# KiCad board rcbus-ymf262-panel.kicad_pcb (continued)
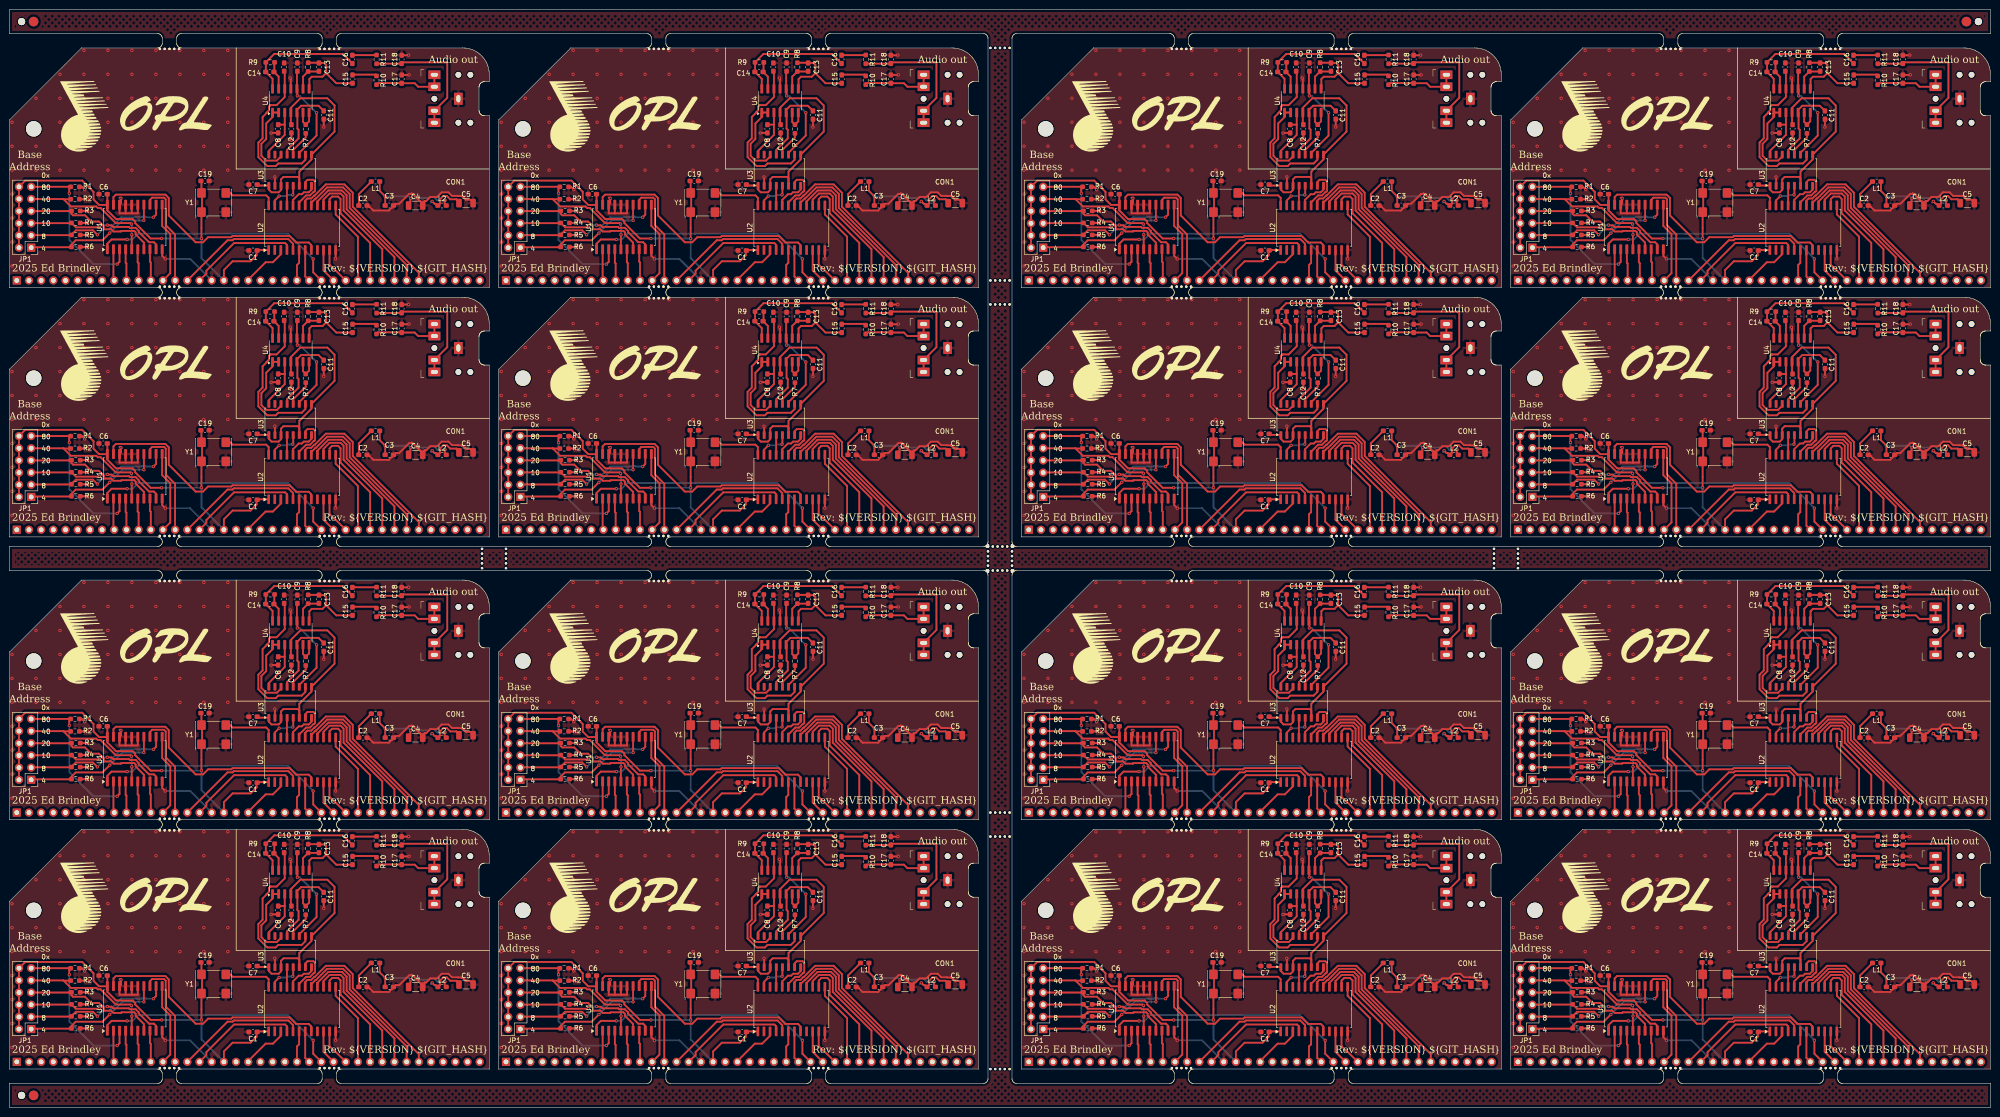
[diagram p0: board, top side]
## Routing (per net, layer and track width the routed paths; a pad name or vN(x,y) marks a point on that pad's centre or on a via; arc(x,y) is an arc through that point) (continued)
Board_8-Net-(C3-Pad1): length 21.1
  Front w0.381: v1(83.66,78.63) 83.57,78.54 83.57,78.02 C4#2.1 ; L2#14.2 90.71,77.6 90.71,78.12 v1(90.79,78.21) ; 78.41,77.42 78.32,77.52 v1(78.32,79.03) 77.17,80.18 L1#6.1
  Back w0.381: v1(90.79,78.21) 89.18,78.21 88.47,78.91 87.72,78.91 87.44,78.63 v1(83.66,78.63) 83.26,79.03 v1(78.32,79.03)
Board_8-Net-(C15-Pad2): length 5.1
  Front w0.381: R10#10.1 76.22,104.44 71.58,104.44 C15#12.2
Board_8-Net-(C16-Pad2): length 4.5
  Front w0.381: 71.75,108.5 76.23,108.5
Board_8-Net-(C17-Pad1): length 15
  Front w0.381: CON1#4.T CON1#4.TN 85.19,101.91 84.46,102.64 C17#11.1 81.54,102.64 81.5,102.68 76.84,102.68 76.5,102.34
Board_8-Net-(C18-Pad1): length 28
  Front w0.381: 81.45,106.73 76.8,106.73 ; CON1#4.R CON1#4.RN 91.25,99.59 91.25,107 81.99,107 C18#4.1
Board_8-Net-(JP1-Pin_1): length 28.7
  Front w0.381: 5.16,68.43 12.6,68.43 R6#16.1 12.9,69 13.78,69.88 19.36,69.88 v1(20.87,71.38) ; U1#4.14 v1(28,74.03)
  Back w0.381: v1(28,74.03) 25.94,74.03 25.92,74.05 23.53,74.05 v1(20.87,71.38)
Board_8-Net-(JP1-Pin_3): length 30.8
  Front w0.381: v1(18.31,71.03) 17.39,71.95 13.8,71.95 13.28,71.42 R5#15.1 12.6,70.94 4.56,70.94 JP1.3 ; U1#4.12 30.54,75.22 v1(30,74.68)
  Back w0.381: v1(18.31,71.03) 19.45,72.17 20.76,72.17 23.27,74.68 27.54,74.68 27.67,74.81 28.33,74.81 28.46,74.68 v1(30,74.68)
Board_8-Net-(JP1-Pin_5): length 29.4
  Front w0.381: U1#4.9 30.54,69.03 30.09,69.47 29.08,69.47 26.92,71.63 26.92,71.84 26.29,72.47 25.07,72.47 24.87,72.67 21.59,72.67 21.26,73 20.42,73 v1(20.37,73.05) ; JP1.5 4.53,73.45 12.6,73.45 R4#12.1 13.82,72.58 18.64,72.58 v1(18.68,72.62)
  Back w0.381: v1(20.37,73.05) 19.1,73.05 v1(18.68,72.62)
Board_8-Net-(JP1-Pin_7): length 28.1
  Front w0.381: 28,68.6 28,69.4 26.29,71.11 26.29,71.54 25.99,71.84 23.34,71.84 23.21,71.71 21.65,71.71 21.19,72.17 19.71,72.17 19.63,72.25 19.63,72.78 18.62,73.79 17.02,73.79 15.72,75.09 13.21,75.09 12.9,75.4 R3#11.1 12.6,75.96 12.33,75.96 12.33,75.96 JP1.7
Board_8-Net-(JP1-Pin_9): length 29.9
  Front w0.381: U1#4.5 25.46,71.03 v1(25.48,71.05) ; 4.51,78.49 11.22,78.49 ; 11.22,78.49 12.77,76.93 18.08,76.93 18.38,76.63 18.97,76.63 22.14,73.46 25.2,73.46 v1(25.4,73.26) ; 11.22,78.49 11.27,78.44 R2#6.1
  Back w0.381: v1(25.48,71.05) 25.48,73.17 v1(25.4,73.26)
Board_8-Net-(JP1-Pin_11): length 34.5
  Front w0.381: JP1.11 12.43,81.04 ; R1#3.1 12.43,80.56 12.43,79.71 v1(12.46,79.69) ; U1#4.3 22.92,65.38 v1(22.44,64.9)
  Back w0.381: v1(12.46,79.69) 12.46,69.93 17.49,64.9 v1(22.44,64.9)
Board_8-Net-(U3-AOUT): length 16.9
  Front w0.381: C11#9.1 64.42,97.95 60.78,97.95 59.91,97.08 U4#2.5 60,96.43 60,93.19 60.25,92.94 60.25,91.14 57.87,88.75 U3#14.13
Board_8-Net-(U3-CV): length 11.5
  Front w0.381: U3#14.16 54.06,88.55 57.37,91.86 57.37,94 ; 57.37,94 U4#2.3 ; 57.37,94 C8#8.1
Board_8-Net-(U3-MP): length 16.3
  Front w0.381: 55.99,96.53 54.94,96.53 ; U4#2.1 54.83,95.58 53.5,94.25 53.5,91 52.5,90 52.5,87.5 53.5,86.51 55.73,86.51 56.6,87.37 U3#14.14
Board_8-Net-(U3-SWIN): length 5.5
  Front w0.381: R7#2.1 61.75,91.34 59.13,88.72 U3#14.12
Board_8-Net-(U4B--): length 5.6
  Front w0.381: U4#2.6 61.18,94.57 R7#2.2 62.45,94.7 U4#2.7
Board_8-Net-(U4C--): length 6.3
  Front w0.381: U4#2.9 61.18,104.02 R8#16.1 64.45,105.09 C13#11.2
Board_8-Net-(U4D--): length 6
  Front w0.381: U4#2.13 56.1,104.02 C14#6.1 55.2,105.08 55.2,106.72 R9#13.1
Board_8-VCC: length 103.5
  Front w0.381: C2#9.1 72.82,77.15 72.82,79.52 75,81.7 L1#6.2 ; U2#4.1 51.71,67.85 C1#5.1 51.5,67.75 51.5,66.75 50.25,65.5 46.5,65.5 44.68,63.68 P1#10.18 ; C6#7.1 20.38,79.48 U1#4.20 20.38,76.12 22.19,74.31 25.66,74.31 26.18,73.79 26.18,73.48 29.41,70.25 v1(31.71,70.25) ; v1(40,70.25) 40,75.03 40.12,75.15 40.12,80.35 ; Y1#15.4 40,82.14 C19#3.1 ; JP1.2 JP1.12 3.26,82.34 15.14,82.34 17.5,79.98 17.5,78.41 18.65,77.26 20.33,77.26
  Back w0.381: P1#10.18 40,66.18 v1(40,70.25) v1(31.71,70.25)
Board_9-+5VA: length 56.5
  Front w0.381: C5#9.1 195.16,78.42 195.16,78.43 193.87,78.43 193.17,79.12 192.42,79.12 191.72,78.42 191.72,77.57 191.71,77.56 L2.1 190.81,77.5 190.59,77.5 v1(190.1,78) ; C7#9.1 153.81,81.3 156,81.3 U3#13.1 156.05,80.45 156.62,79.89 158.1,79.89 158.6,80.38 U3#13.3 158.6,82.6 159.1,83.1 162.11,83.1 162.4,82.8 U3#13.6 162.4,84.21 164.95,86.75 U3#13.9 169.75,92.56 169.75,98 168.25,99.5 162.61,99.5 160.64,97.52 U4#4.4 160.64,94.11 C12#9.1
  Back w0.381: v1(190.1,78) 189.82,77.72
Board_9-/A0: length 23
  Front w0.381: P1#9.16 143.02,62.92 143.02,63.52 148.8,69.3 159.45,69.3 159.83,68.93 U2#8.4
Board_9-/A1: length 27.3
  Front w0.381: U2#8.5 161.1,69.16 160.12,70.14 148.74,70.14 148.49,69.89 147.45,69.89 P1#9.15
Board_9-/A2: length 22.4
  Front w0.381: U1#15.13 131.27,78.33 131.72,78.77 134.21,78.77 134.56,78.43 134.56,73.04 136.5,71.09 136.5,61.52 P1#9.14
Board_9-/A3: length 17.1
  Front w0.381: 133.8,77.29 133.8,72.89 135.5,71.19 135.5,63.02 P1#9.13
Board_9-/A4: length 6.6
  Front w0.381: 131.3,67.97 131.27,67.94 131.27,65.43 131.44,65.26 P1#9.12
Board_9-/A5: length 6.6
  Front w0.381: P1#9.11 128.9,65.1 128.7,65.3 128.7,67.97
Board_9-/A6: length 6.6
  Front w0.381: 126.2,67.99 126.2,65.2 126.36,65.04 P1#9.10
Board_9-/A7: length 6.6
  Front w0.381: P1#9.9 123.65,61.67 U1#15.2
Board_9-/AUDIO_CH1: length 33.2
  Front w0.381: U3#13.10 163.67,86.68 162.9,85.9 158.02,85.9 157.48,85.37 155.74,85.37 153.87,87.24 153.87,90.26 154.75,91.15 154.75,95.59 155.59,96.44 155.59,96.47 155.6,96.48 155.6,96.52 156.08,97 156.08,97.78 156.33,98.03 156.34,98.03 156.36,98.05 156.37,98.05 156.38,98.06 156.41,98.06 156.41,98.07 156.44,98.07 156.44,98.07 157.67,98.07 159.37,99.77 U4#4.12 159.37,105.02 C10#9.1
Board_9-/AUDIO_CH2: length 20.9
  Front w0.381: v1(162,100) 162,101.38 U4#4.10 161.91,105.05 C9#7.1 ; U3#13.11 162.4,88.13 166,91.72 v1(166,96.5)
  Back w0.381: v1(166,96.5) 162.5,100 v1(162,100)
Board_9-/CLK: length 10.9
  Front w0.381: 147.38,80.35 148.48,79.25 155.5,79.25 156.01,78.74 U2#8.24
Board_9-/D0: length 7.2
  Front w0.381: P1#9.27 167.45,63.6 U2#8.10
Board_9-/D1: length 7.8
  Front w0.381: P1#9.28 169.77,63.81 169.67,63.81 168.7,64.79 168.7,67.84
Board_9-/D2: length 17.6
  Front w0.381: U2#8.13 169.99,75.27 174.62,70.63 P1#9.29
Board_9-/D3: length 23.6
  Front w0.381: P1#9.30 177.16,69.34 171,75.5 171,78.5 170.5,79 169.25,79 168.72,78.47 U2#8.14
Board_9-/D4: length 27
  Front w0.381: P1#9.31 179.7,68.03 171.63,76.1 171.63,79.01 171.01,79.64 168.73,79.64 167.45,78.35 U2#8.15
Board_9-/D5: length 30.2
  Front w0.381: P1#9.32 182.24,66.39 172.27,76.36 172.27,79.28 171.28,80.27 168.46,80.27 166.17,77.98 U2#8.16
Board_9-/D6: length 33.4
  Front w0.381: U2#8.17 164.9,77.71 165.79,78.6 165.89,78.6 168.2,80.91 171.54,80.91 172.91,79.54 172.91,76.62 184.78,64.75 P1#9.33
Board_9-/D7: length 37
  Front w0.381: P1#9.34 187.32,63.11 173.54,76.89 173.54,79.8 171.8,81.54 167.94,81.54 165.63,79.23 165.52,79.23 164.89,78.6 164.08,78.6 163.63,78.15 U2#8.18
Board_9-/DAC_CLK: length 7.2
  Front w0.381: v1(158.2,79.1) 157.28,78.19 U2#8.23 ; U3#13.5 161.13,79.45 v1(161.04,79.36)
  Back w0.381: v1(158.2,79.1) 159.73,79.1 159.93,79.3 160.98,79.3 v1(161.04,79.36)
Board_9-/DOAB: length 4.1
  Front w0.381: U2#8.21 159.83,81.21 U3#13.4
Board_9-/L: length 18.1
  Front w0.381: C15#16.1 170.11,102.64 168,104.75 ; U4#4.8 164.5,101.53 164.5,103.5 165,104 167.25,104 168,104.75 ; 168,104.75 168,106.5 167.64,106.86 C13#8.1 166.45,106.91 R8#9.2
Board_9-/R: length 25.7
  Front w0.381: U4#4.14 156.83,103.56 C14#3.2 155.42,105.04 R9#11.2 157.17,108.75 171.46,108.75 C16#8.1
Board_9-/SMPAC: length 6.7
  Front w0.381: U2#8.20 161.1,78.3 162.28,79.49 162.94,79.49 163.34,79.89 164.38,79.89 164.95,80.45 U3#13.8
Board_9-/SMPBD: length 10.1
  Front w0.381: U2#8.19 162.37,77.78 163.82,79.23 164.63,79.23 165.4,80 165.5,80 165.69,80.2 165.69,82.15 165.35,82.5 164.12,82.5 163.67,82.05 U3#13.7
Board_9-/~{CS}: length 51.7
  Front w0.381: U1#15.19 123.65,78.9 124.15,79.41 134.47,79.41 135.19,78.69 135.19,75.06 140.79,69.46 142.33,69.46 143.38,70.52 148.22,70.52 148.47,70.77 160.38,70.77 161.73,69.42 164.38,69.42 164.9,68.9 U2#8.8
Board_9-/~{IORQ}: length 52.4
  Front w0.381: v1(165.3,66) 165.3,63.2 P1#9.26 ; U1#15.1 122.38,69.17 123.26,70.05 v1(126.5,70.05)
  Back w0.381: v1(165.3,66) 160.05,71.25 139.11,71.25 139.08,71.21 138.42,71.21 138.39,71.25 128.8,71.25 127.6,70.05 v1(126.5,70.05)
Board_9-/~{RD}: length 6.7
  Front w0.381: U2#8.7 163.63,62.33 P1#9.25
Board_9-/~{RESET}: length 9.8
  Front w0.381: 151.76,61.68 155.39,65.3 156.9,65.3 158.55,66.96 158.55,67.74 158.5,67.8
Board_9-/~{WR}: length 6.5
  Front w0.381: P1#9.24 161.92,64.72 162.37,65.17 U2#8.6
Board_9-GND: length 76.5
  Front w0.381: U3#13.2 157.33,83.08 v1(157.3,83.1) ; 126.2,75.5 127.5,75.5 ; 126.2,75.5 124.92,75.5 124.92,76.71 ; 126.2,75.5 126.19,75.51 U1#15.17 ; 127.5,75.5 127.46,75.54 U1#15.16 ; 127.5,75.5 128.73,75.5 128.73,76.84 ; U4#4.11 160.64,103.61 v1(160.5,103.75) ; R2#11.2 118.14,78.44 v1(118.2,78.5) ; C11#14.2 v1(167.5,93.5) ; R4#9.2 v1(118.2,73.5) ; v1(185.3,104.4) 185.26,104.36 C17#12.2 ; R3#14.2 118.19,76.01 v1(118.2,76) ; v1(185.2,108.51) 185.16,108.48 C18#12.2 ; C12#9.2 v1(160.75,90.75) ; v1(156.5,92.25) 156.52,92.28 C8#9.2 ; v1(118.2,71) 118.19,70.99 R5#2.2 ; C2#2.2 177.06,76.85 177.07,76.85 177.83,76.09 181.11,76.09 181.68,76.66 181.68,76.67 C3#12.2 182.52,77.5 182.53,77.51 183.24,77.51 185.28,79.55 185.68,79.55 185.81,79.67 185.94,79.55 186.04,79.55 187.58,78.01 187.66,78.01 187.68,77.99 C4#3.2 188.52,78.02 188.52,78.03 188.54,78.06 188.87,78.06 189.72,78.91 191.13,78.91 192.1,79.88 193.49,79.88 194.23,79.14 195.45,79.14 195.49,79.11 196.25,79.11 196.26,79.1 196.3,79.1 196.31,79.09 196.35,79.09 196.38,79.06 196.39,79.06 196.42,79.03 196.43,79.03 197.13,78.33 198.08,78.33 C5#9.2 ; v1(117.64,80.44) 117.06,81.03 R1#9.2 ; v1(134.46,66) 133.81,66.64 U1#15.10 ; U1#15.18 125.23,77.61 v1(125.23,78.62) 125.23,78.77 124.92,78.77 ; R6.2 118.18,68.48 v1(118.2,68.5) ; 144.67,61.5 P1#9.17 ; U2#8.12 v1(169.99,66)
  Back w0.381: v1(134.46,66) 139.64,66 P1#9.17
  vias: v1(102.5,94.5) v1(102.5,89.5) v1(102.5,84.5) v1(102.5,79.5) v1(102.5,74.5) v1(102.5,69.5) v1(102.5,64.5) v1(107.5,99.5) v1(107.5,89.5) v1(107.5,84.5) v1(112.5,104.5) v1(112.5,99.5) v1(112.5,94.5) v1(112.5,89.5) v1(112.5,84.5) v1(117.5,109.5) v1(117.5,104.5) v1(117.5,99.5) v1(117.5,94.5) v1(117.5,89.5) v1(117.5,84.5) v1(122.5,109.5) v1(122.5,104.5) v1(122.5,99.5) v1(122.5,94.5) v1(122.5,89.5) v1(122.5,84.5) v1(127.5,109.5) v1(127.5,104.5) v1(127.5,99.5) v1(127.5,94.5) v1(127.5,89.5) v1(127.5,84.5) v1(132.5,109.5) v1(132.5,104.5) v1(132.5,99.5) v1(132.5,94.5) v1(132.5,89.5) v1(132.5,84.5) v1(137.5,109.5) v1(137.5,104.5) v1(137.5,99.5) v1(137.5,94.5) v1(137.5,89.5) v1(137.5,84.5) v1(142.5,109.5) v1(142.5,104.5) v1(142.5,99.5) v1(142.5,94.5) v1(142.5,89.5) v1(142.5,84.5) v1(147.5,109.5) v1(147.5,104.5) v1(147.5,99.5) v1(147.5,94.5) v1(147.5,89.5) v1(147.5,84.5)
Board_9-Net-(C3-Pad1): length 21.1
  Front w0.381: v1(192.79,78.21) 192.71,78.12 192.71,77.6 L2.2 ; 180.41,77.42 180.32,77.52 v1(180.32,79.03) 179.17,80.18 L1#7.1 ; v1(185.66,78.63) 185.57,78.54 185.57,78.02 C4#3.1
  Back w0.381: v1(192.79,78.21) 191.18,78.21 190.47,78.91 189.72,78.91 189.44,78.63 v1(185.66,78.63) 185.26,79.03 v1(180.32,79.03)
Board_9-Net-(C15-Pad2): length 5.1
  Front w0.381: R10#12.1 178.22,104.44 173.58,104.44 C15#16.2
Board_9-Net-(C16-Pad2): length 4.5
  Front w0.381: 173.75,108.5 178.23,108.5
Board_9-Net-(C17-Pad1): length 15
  Front w0.381: 178.5,102.34 178.84,102.68 183.5,102.68 183.54,102.64 C17#12.1 186.46,102.64 187.2,101.91 CON1#2.TN CON1#2.T
Board_9-Net-(C18-Pad1): length 28
  Front w0.381: CON1#2.R CON1#2.RN 193.25,99.59 193.25,107 183.99,107 C18#12.1 ; 183.45,106.73 178.8,106.73
Board_9-Net-(JP1-Pin_1): length 28.7
  Front w0.381: U1#15.14 v1(130,74.03) ; 107.16,68.43 114.6,68.43 R6.1 114.9,69 115.78,69.88 121.36,69.88 v1(122.87,71.38)
  Back w0.381: v1(122.87,71.38) 125.53,74.05 127.92,74.05 127.94,74.03 v1(130,74.03)
Board_9-Net-(JP1-Pin_3): length 30.8
  Front w0.381: v1(120.31,71.03) 119.39,71.95 115.8,71.95 115.28,71.42 R5#2.1 114.6,70.94 106.56,70.94 JP1#6.3 ; v1(132,74.68) 132.54,75.22 U1#15.12
  Back w0.381: v1(120.31,71.03) 121.45,72.17 122.76,72.17 125.27,74.68 129.54,74.68 129.67,74.81 130.33,74.81 130.46,74.68 v1(132,74.68)
Board_9-Net-(JP1-Pin_5): length 29.4
  Front w0.381: v1(120.68,72.62) 120.64,72.58 115.82,72.58 R4#9.1 114.6,73.45 106.53,73.45 JP1#6.5 ; U1#15.9 132.54,69.03 132.09,69.47 131.08,69.47 128.92,71.63 128.92,71.84 128.29,72.47 127.07,72.47 126.87,72.67 123.59,72.67 123.26,73 122.42,73 v1(122.37,73.05)
  Back w0.381: v1(122.37,73.05) 121.1,73.05 v1(120.68,72.62)
Board_9-Net-(JP1-Pin_7): length 28.1
  Front w0.381: JP1#6.7 114.33,75.96 114.33,75.96 114.6,75.96 R3#14.1 114.9,75.4 115.21,75.09 117.72,75.09 119.02,73.79 120.62,73.79 121.63,72.78 121.63,72.25 121.71,72.17 123.19,72.17 123.65,71.71 125.21,71.71 125.34,71.84 127.99,71.84 128.29,71.54 128.29,71.11 130,69.4 130,68.6
Board_9-Net-(JP1-Pin_9): length 29.9
  Front w0.381: U1#15.5 127.46,71.03 v1(127.48,71.05) ; v1(127.4,73.26) 127.2,73.46 124.14,73.46 120.97,76.63 120.38,76.63 120.08,76.93 114.77,76.93 113.22,78.49 ; 113.22,78.49 113.27,78.44 R2#11.1 ; 113.22,78.49 106.51,78.49
  Back w0.381: v1(127.4,73.26) 127.48,73.17 v1(127.48,71.05)
Board_9-Net-(JP1-Pin_11): length 34.5
  Front w0.381: JP1#6.11 114.43,81.04 ; v1(114.46,79.69) 114.43,79.71 114.43,80.56 R1#9.1 ; U1#15.3 124.92,65.38 v1(124.44,64.9)
  Back w0.381: v1(124.44,64.9) 119.49,64.9 114.46,69.93 v1(114.46,79.69)
Board_9-Net-(U3-AOUT): length 16.9
  Front w0.381: C11#14.1 166.42,97.95 162.78,97.95 161.91,97.08 U4#4.5 162,96.43 162,93.19 162.25,92.94 162.25,91.14 159.87,88.75 U3#13.13
Board_9-Net-(U3-CV): length 11.5
  Front w0.381: 159.37,94 U4#4.3 ; 159.37,94 C8#9.1 ; 159.37,94 159.37,91.86 156.05,88.55 U3#13.16
Board_9-Net-(U3-MP): length 16.3
  Front w0.381: U4#4.1 156.83,95.58 155.5,94.25 155.5,91 154.5,90 154.5,87.5 155.5,86.51 157.73,86.51 158.6,87.37 U3#13.14 ; 157.99,96.53 156.94,96.53
Board_9-Net-(U3-SWIN): length 5.5
  Front w0.381: R7#12.1 163.75,91.34 161.13,88.72 U3#13.12
Board_9-Net-(U4B--): length 5.6
  Front w0.381: U4#4.7 164.45,94.7 R7#12.2 163.18,94.57 U4#4.6
Board_9-Net-(U4C--): length 6.3
  Front w0.381: C13#8.2 166.45,105.09 R8#9.1 163.18,104.02 U4#4.9
Board_9-Net-(U4D--): length 6
  Front w0.381: R9#11.1 157.2,106.72 157.2,105.08 C14#3.1 158.1,104.02 U4#4.13
Board_9-VCC: length 103.5
  Front w0.381: v1(142,70.25) 142,75.03 142.12,75.15 142.12,80.35 ; Y1#5.4 142,82.14 C19#11.1 ; L1#7.2 177,81.7 174.82,79.52 174.82,77.15 C2#2.1 ; 122.33,77.26 120.65,77.26 119.5,78.41 119.5,79.98 117.14,82.34 105.26,82.34 JP1#6.12 JP1#6.2 ; v1(133.71,70.25) 131.41,70.25 128.18,73.48 128.18,73.79 127.66,74.31 124.19,74.31 122.38,76.12 U1#15.20 122.38,79.48 C6#13.1 ; U2#8.1 153.71,67.85 C1#10.1 153.5,67.75 153.5,66.75 152.25,65.5 148.5,65.5 146.68,63.68 P1#9.18
  Back w0.381: v1(133.71,70.25) v1(142,70.25) 142,66.18 P1#9.18
Board_10-+5VA: length 56.5
  Front w0.381: v1(299.1,78) 299.59,77.5 299.81,77.5 L2#16.1 300.71,77.56 300.72,77.57 300.72,78.42 301.42,79.12 302.17,79.12 302.87,78.43 304.16,78.43 304.16,78.42 C5#4.1 ; C12#13.1 269.64,94.11 U4#3.4 269.64,97.52 271.61,99.5 277.25,99.5 278.75,98 278.75,92.56 U3.9 273.95,86.75 271.4,84.21 U3.6 271.4,82.8 271.11,83.1 268.1,83.1 267.6,82.6 U3.3 267.6,80.38 267.1,79.89 265.62,79.89 265.05,80.45 U3.1 265,81.3 262.81,81.3 C7#15.1
  Back w0.381: v1(299.1,78) 298.82,77.72
Board_10-/A0: length 23
  Front w0.381: U2#13.4 268.83,68.93 268.45,69.3 257.8,69.3 252.02,63.52 252.02,62.92 P1#14.16
Board_10-/A1: length 27.3
  Front w0.381: P1#14.15 256.45,69.89 257.49,69.89 257.74,70.14 269.12,70.14 270.1,69.16 U2#13.5
Board_10-/A2: length 22.4
  Front w0.381: U1#9.13 240.27,78.33 240.72,78.77 243.21,78.77 243.56,78.43 243.56,73.04 245.5,71.09 245.5,61.52 P1#14.14
Board_10-/A3: length 17.1
  Front w0.381: P1#14.13 244.5,63.02 244.5,71.19 242.8,72.89 242.8,77.29
Board_10-/A4: length 6.6
  Front w0.381: 240.3,67.97 240.27,67.94 240.27,65.43 240.44,65.26 P1#14.12
Board_10-/A5: length 6.6
  Front w0.381: 237.7,67.97 237.7,65.3 237.9,65.1 P1#14.11
Board_10-/A6: length 6.6
  Front w0.381: 235.2,67.99 235.2,65.2 235.36,65.04 P1#14.10
Board_10-/A7: length 6.6
  Front w0.381: P1#14.9 232.65,61.67 U1#9.2
Board_10-/AUDIO_CH1: length 33.2
  Front w0.381: U3.10 272.67,86.68 271.9,85.9 267.02,85.9 266.48,85.37 264.74,85.37 262.87,87.24 262.87,90.26 263.75,91.15 263.75,95.59 264.59,96.44 264.59,96.47 264.6,96.48 264.6,96.52 265.08,97 265.08,97.78 265.33,98.03 265.34,98.03 265.36,98.05 265.37,98.05 265.38,98.06 265.41,98.06 265.41,98.07 265.44,98.07 265.44,98.07 266.67,98.07 268.37,99.77 U4#3.12 268.37,105.02 C10.1
Board_10-/AUDIO_CH2: length 20.9
  Front w0.381: v1(271,100) 271,101.38 U4#3.10 270.91,105.05 C9.1 ; v1(275,96.5) 275,91.72 271.4,88.13 U3.11
  Back w0.381: v1(271,100) 271.5,100 v1(275,96.5)
Board_10-/CLK: length 10.9
  Front w0.381: 256.38,80.35 257.48,79.25 264.5,79.25 265.01,78.74 U2#13.24
Board_10-/D0: length 7.2
  Front w0.381: U2#13.10 276.45,63.6 P1#14.27
Board_10-/D1: length 7.8
  Front w0.381: 277.7,67.84 277.7,64.79 278.67,63.81 278.77,63.81 P1#14.28
Board_10-/D2: length 17.6
  Front w0.381: U2#13.13 278.99,75.27 283.62,70.63 P1#14.29
Board_10-/D3: length 23.6
  Front w0.381: U2#13.14 277.72,78.47 278.25,79 279.5,79 280,78.5 280,75.5 286.16,69.34 P1#14.30
Board_10-/D4: length 27
  Front w0.381: U2#13.15 276.45,78.35 277.73,79.64 280.01,79.64 280.63,79.01 280.63,76.1 288.7,68.03 P1#14.31
Board_10-/D5: length 30.2
  Front w0.381: U2#13.16 275.17,77.98 277.46,80.27 280.28,80.27 281.27,79.28 281.27,76.36 291.24,66.39 P1#14.32
Board_10-/D6: length 33.4
  Front w0.381: P1#14.33 293.78,64.75 281.91,76.62 281.91,79.54 280.54,80.91 277.2,80.91 274.89,78.6 274.79,78.6 273.9,77.71 U2#13.17
Board_10-/D7: length 37
  Front w0.381: P1#14.34 296.32,63.11 282.54,76.89 282.54,79.8 280.8,81.54 276.94,81.54 274.63,79.23 274.52,79.23 273.89,78.6 273.08,78.6 272.63,78.15 U2#13.18
Board_10-/DAC_CLK: length 7.2
  Front w0.381: v1(270.04,79.36) 270.13,79.45 U3.5 ; U2#13.23 266.28,78.19 v1(267.2,79.1)
  Back w0.381: v1(270.04,79.36) 269.98,79.3 268.93,79.3 268.73,79.1 v1(267.2,79.1)
Board_10-/DOAB: length 4.1
  Front w0.381: U2#13.21 268.83,81.21 U3.4
Board_10-/L: length 18.1
  Front w0.381: R8#12.2 275.45,106.91 C13#6.1 276.64,106.86 277,106.5 277,104.75 ; 277,104.75 276.25,104 274,104 273.5,103.5 273.5,101.53 U4#3.8 ; 277,104.75 279.11,102.64 C15#5.1
Board_10-/R: length 25.7
  Front w0.381: U4#3.14 265.83,103.56 C14#7.2 264.42,105.04 R9#6.2 266.17,108.75 280.46,108.75 C16#3.1
Board_10-/SMPAC: length 6.7
  Front w0.381: U2#13.20 270.1,78.3 271.28,79.49 271.94,79.49 272.34,79.89 273.38,79.89 273.95,80.45 U3.8
Board_10-/SMPBD: length 10.1
  Front w0.381: U3.7 272.67,82.05 273.12,82.5 274.35,82.5 274.69,82.15 274.69,80.2 274.5,80 274.4,80 273.63,79.23 272.82,79.23 271.37,77.78 U2#13.19
Board_10-/~{CS}: length 51.7
  Front w0.381: U1#9.19 232.65,78.9 233.15,79.41 243.47,79.41 244.19,78.69 244.19,75.06 249.79,69.46 251.33,69.46 252.38,70.52 257.22,70.52 257.47,70.77 269.38,70.77 270.73,69.42 273.38,69.42 273.9,68.9 U2#13.8
Board_10-/~{IORQ}: length 52.4
  Front w0.381: v1(235.5,70.05) 232.26,70.05 231.38,69.17 U1#9.1 ; P1#14.26 274.3,63.2 v1(274.3,66)
  Back w0.381: v1(274.3,66) 269.05,71.25 248.11,71.25 248.08,71.21 247.42,71.21 247.39,71.25 237.8,71.25 236.6,70.05 v1(235.5,70.05)
Board_10-/~{RD}: length 6.7
  Front w0.381: P1#14.25 272.63,62.33 U2#13.7
Board_10-/~{RESET}: length 9.8
  Front w0.381: 260.76,61.68 264.39,65.3 265.9,65.3 267.55,66.96 267.55,67.74 267.5,67.8
Board_10-/~{WR}: length 6.5
  Front w0.381: U2#13.6 271.37,65.17 270.92,64.72 P1#14.24
Board_10-GND: length 76.5
  Front w0.381: 236.5,75.5 237.73,75.5 237.73,76.84 ; 236.5,75.5 236.46,75.54 U1#9.16 ; 236.5,75.5 235.2,75.5 ; v1(294.3,104.4) 294.26,104.36 C17#10.2 ; U4#3.11 269.64,103.61 v1(269.5,103.75) ; v1(227.2,78.5) 227.14,78.44 R2.2 ; R6#14.2 227.18,68.48 v1(227.2,68.5) ; v1(243.46,66) 242.81,66.64 U1#9.10 ; 233.92,78.77 234.23,78.77 v1(234.23,78.62) 234.23,77.61 U1#9.18 ; C18#14.2 294.16,108.48 v1(294.2,108.51) ; C8#16.2 265.52,92.28 v1(265.5,92.25) ; U1#9.17 235.19,75.51 235.2,75.5 ; R4#6.2 v1(227.2,73.5) ; 235.2,75.5 233.92,75.5 233.92,76.71 ; C12#13.2 v1(269.75,90.75) ; U2#13.12 v1(278.99,66) ; v1(227.2,76) 227.19,76.01 R3#16.2 ; C11#3.2 v1(276.5,93.5) ; 253.67,61.5 P1#14.17 ; R5#13.2 227.19,70.99 v1(227.2,71) ; C5#4.2 307.08,78.33 306.13,78.33 305.43,79.03 305.42,79.03 305.39,79.06 305.38,79.06 305.35,79.09 305.31,79.09 305.3,79.1 305.26,79.1 305.25,79.11 304.49,79.11 304.45,79.14 303.23,79.14 302.49,79.88 301.1,79.88 300.13,78.91 298.72,78.91 297.87,78.06 297.54,78.06 297.52,78.03 297.52,78.02 C4#12.2 296.68,77.99 296.66,78.01 296.58,78.01 295.04,79.55 294.94,79.55 294.81,79.67 294.68,79.55 294.28,79.55 292.24,77.51 291.53,77.51 291.52,77.5 C3#6.2 290.68,76.67 290.68,76.66 290.11,76.09 286.83,76.09 286.07,76.85 286.06,76.85 C2.2 ; v1(266.3,83.1) 266.33,83.08 U3.2 ; v1(226.64,80.44) 226.06,81.03 R1#14.2
  Back w0.381: P1#14.17 248.64,66 v1(243.46,66)
  vias: v1(211.5,94.5) v1(211.5,89.5) v1(211.5,84.5) v1(211.5,79.5) v1(211.5,74.5) v1(211.5,69.5) v1(211.5,64.5) v1(216.5,99.5) v1(216.5,89.5) v1(216.5,84.5) v1(221.5,104.5) v1(221.5,99.5) v1(221.5,94.5) v1(221.5,89.5) v1(221.5,84.5) v1(226.5,109.5) v1(226.5,104.5) v1(226.5,99.5) v1(226.5,94.5) v1(226.5,89.5) v1(226.5,84.5) v1(231.5,109.5) v1(231.5,104.5) v1(231.5,99.5) v1(231.5,94.5) v1(231.5,89.5) v1(231.5,84.5) v1(236.5,109.5) v1(236.5,104.5) v1(236.5,99.5) v1(236.5,94.5) v1(236.5,89.5) v1(236.5,84.5) v1(241.5,109.5) v1(241.5,104.5) v1(241.5,99.5) v1(241.5,94.5) v1(241.5,89.5) v1(241.5,84.5) v1(246.5,109.5) v1(246.5,104.5) v1(246.5,99.5) v1(246.5,94.5) v1(246.5,89.5) v1(246.5,84.5) v1(251.5,109.5) v1(251.5,104.5) v1(251.5,99.5) v1(251.5,94.5) v1(251.5,89.5) v1(251.5,84.5) v1(256.5,109.5) v1(256.5,104.5) v1(256.5,99.5) v1(256.5,94.5) v1(256.5,89.5) v1(256.5,84.5)
Board_10-Net-(C3-Pad1): length 21.1
  Front w0.381: C4#12.1 294.57,78.02 294.57,78.54 v1(294.66,78.63) ; L2#16.2 301.71,77.6 301.71,78.12 v1(301.79,78.21) ; 289.41,77.42 289.32,77.52 v1(289.32,79.03) 288.17,80.18 L1#16.1
  Back w0.381: v1(289.32,79.03) 294.26,79.03 v1(294.66,78.63) 298.44,78.63 298.72,78.91 299.47,78.91 300.18,78.21 v1(301.79,78.21)
Board_10-Net-(C15-Pad2): length 5.1
  Front w0.381: R10#9.1 287.22,104.44 282.58,104.44 C15#5.2
Board_10-Net-(C16-Pad2): length 4.5
  Front w0.381: 287.23,108.5 282.75,108.5
Board_10-Net-(C17-Pad1): length 15
  Front w0.381: CON1#7.T CON1#7.TN 296.2,101.91 295.46,102.64 C17#10.1 292.54,102.64 292.5,102.68 287.84,102.68 287.5,102.34
Board_10-Net-(C18-Pad1): length 28
  Front w0.381: C18#14.1 292.99,107 302.25,107 302.25,99.59 CON1#7.RN CON1#7.R ; 292.45,106.73 287.8,106.73
Board_10-Net-(JP1-Pin_1): length 28.7
  Front w0.381: 216.16,68.43 223.6,68.43 R6#14.1 223.9,69 224.78,69.88 230.36,69.88 v1(231.87,71.38) ; U1#9.14 v1(239,74.03)
  Back w0.381: v1(239,74.03) 236.94,74.03 236.92,74.05 234.53,74.05 v1(231.87,71.38)
Board_10-Net-(JP1-Pin_3): length 30.8
  Front w0.381: JP1#8.3 215.56,70.94 223.6,70.94 R5#13.1 224.28,71.42 224.8,71.95 228.39,71.95 v1(229.31,71.03) ; v1(241,74.68) 241.54,75.22 U1#9.12
  Back w0.381: v1(241,74.68) 239.46,74.68 239.33,74.81 238.67,74.81 238.54,74.68 234.27,74.68 231.76,72.17 230.45,72.17 v1(229.31,71.03)
Board_10-Net-(JP1-Pin_5): length 29.4
  Front w0.381: U1#9.9 241.54,69.03 241.09,69.47 240.08,69.47 237.92,71.63 237.92,71.84 237.29,72.47 236.07,72.47 235.87,72.67 232.59,72.67 232.26,73 231.42,73 v1(231.37,73.05) ; v1(229.68,72.62) 229.64,72.58 224.82,72.58 R4#6.1 223.6,73.45 215.53,73.45 JP1#8.5
  Back w0.381: v1(231.37,73.05) 230.1,73.05 v1(229.68,72.62)
Board_10-Net-(JP1-Pin_7): length 28.1
  Front w0.381: 239,68.6 239,69.4 237.29,71.11 237.29,71.54 236.99,71.84 234.34,71.84 234.21,71.71 232.65,71.71 232.19,72.17 230.71,72.17 230.63,72.25 230.63,72.78 229.62,73.79 228.02,73.79 226.72,75.09 224.21,75.09 223.9,75.4 R3#16.1 223.6,75.96 223.33,75.96 223.33,75.96 JP1#8.7
Board_10-Net-(JP1-Pin_9): length 29.9
  Front w0.381: U1#9.5 236.46,71.03 v1(236.48,71.05) ; v1(236.4,73.26) 236.2,73.46 233.14,73.46 229.97,76.63 229.38,76.63 229.08,76.93 223.77,76.93 222.22,78.49 ; 215.51,78.49 222.22,78.49 ; 222.22,78.49 222.27,78.44 R2.1
  Back w0.381: v1(236.4,73.26) 236.48,73.17 v1(236.48,71.05)
Board_10-Net-(JP1-Pin_11): length 34.5
  Front w0.381: v1(233.44,64.9) 233.92,65.38 U1#9.3 ; R1#14.1 223.43,80.56 223.43,79.71 v1(223.46,79.69) ; JP1#8.11 223.43,81.04
  Back w0.381: v1(233.44,64.9) 228.49,64.9 223.46,69.93 v1(223.46,79.69)
